# Altium PCB PowerAMP.PcbDoc (part 3 of 4) (continued)
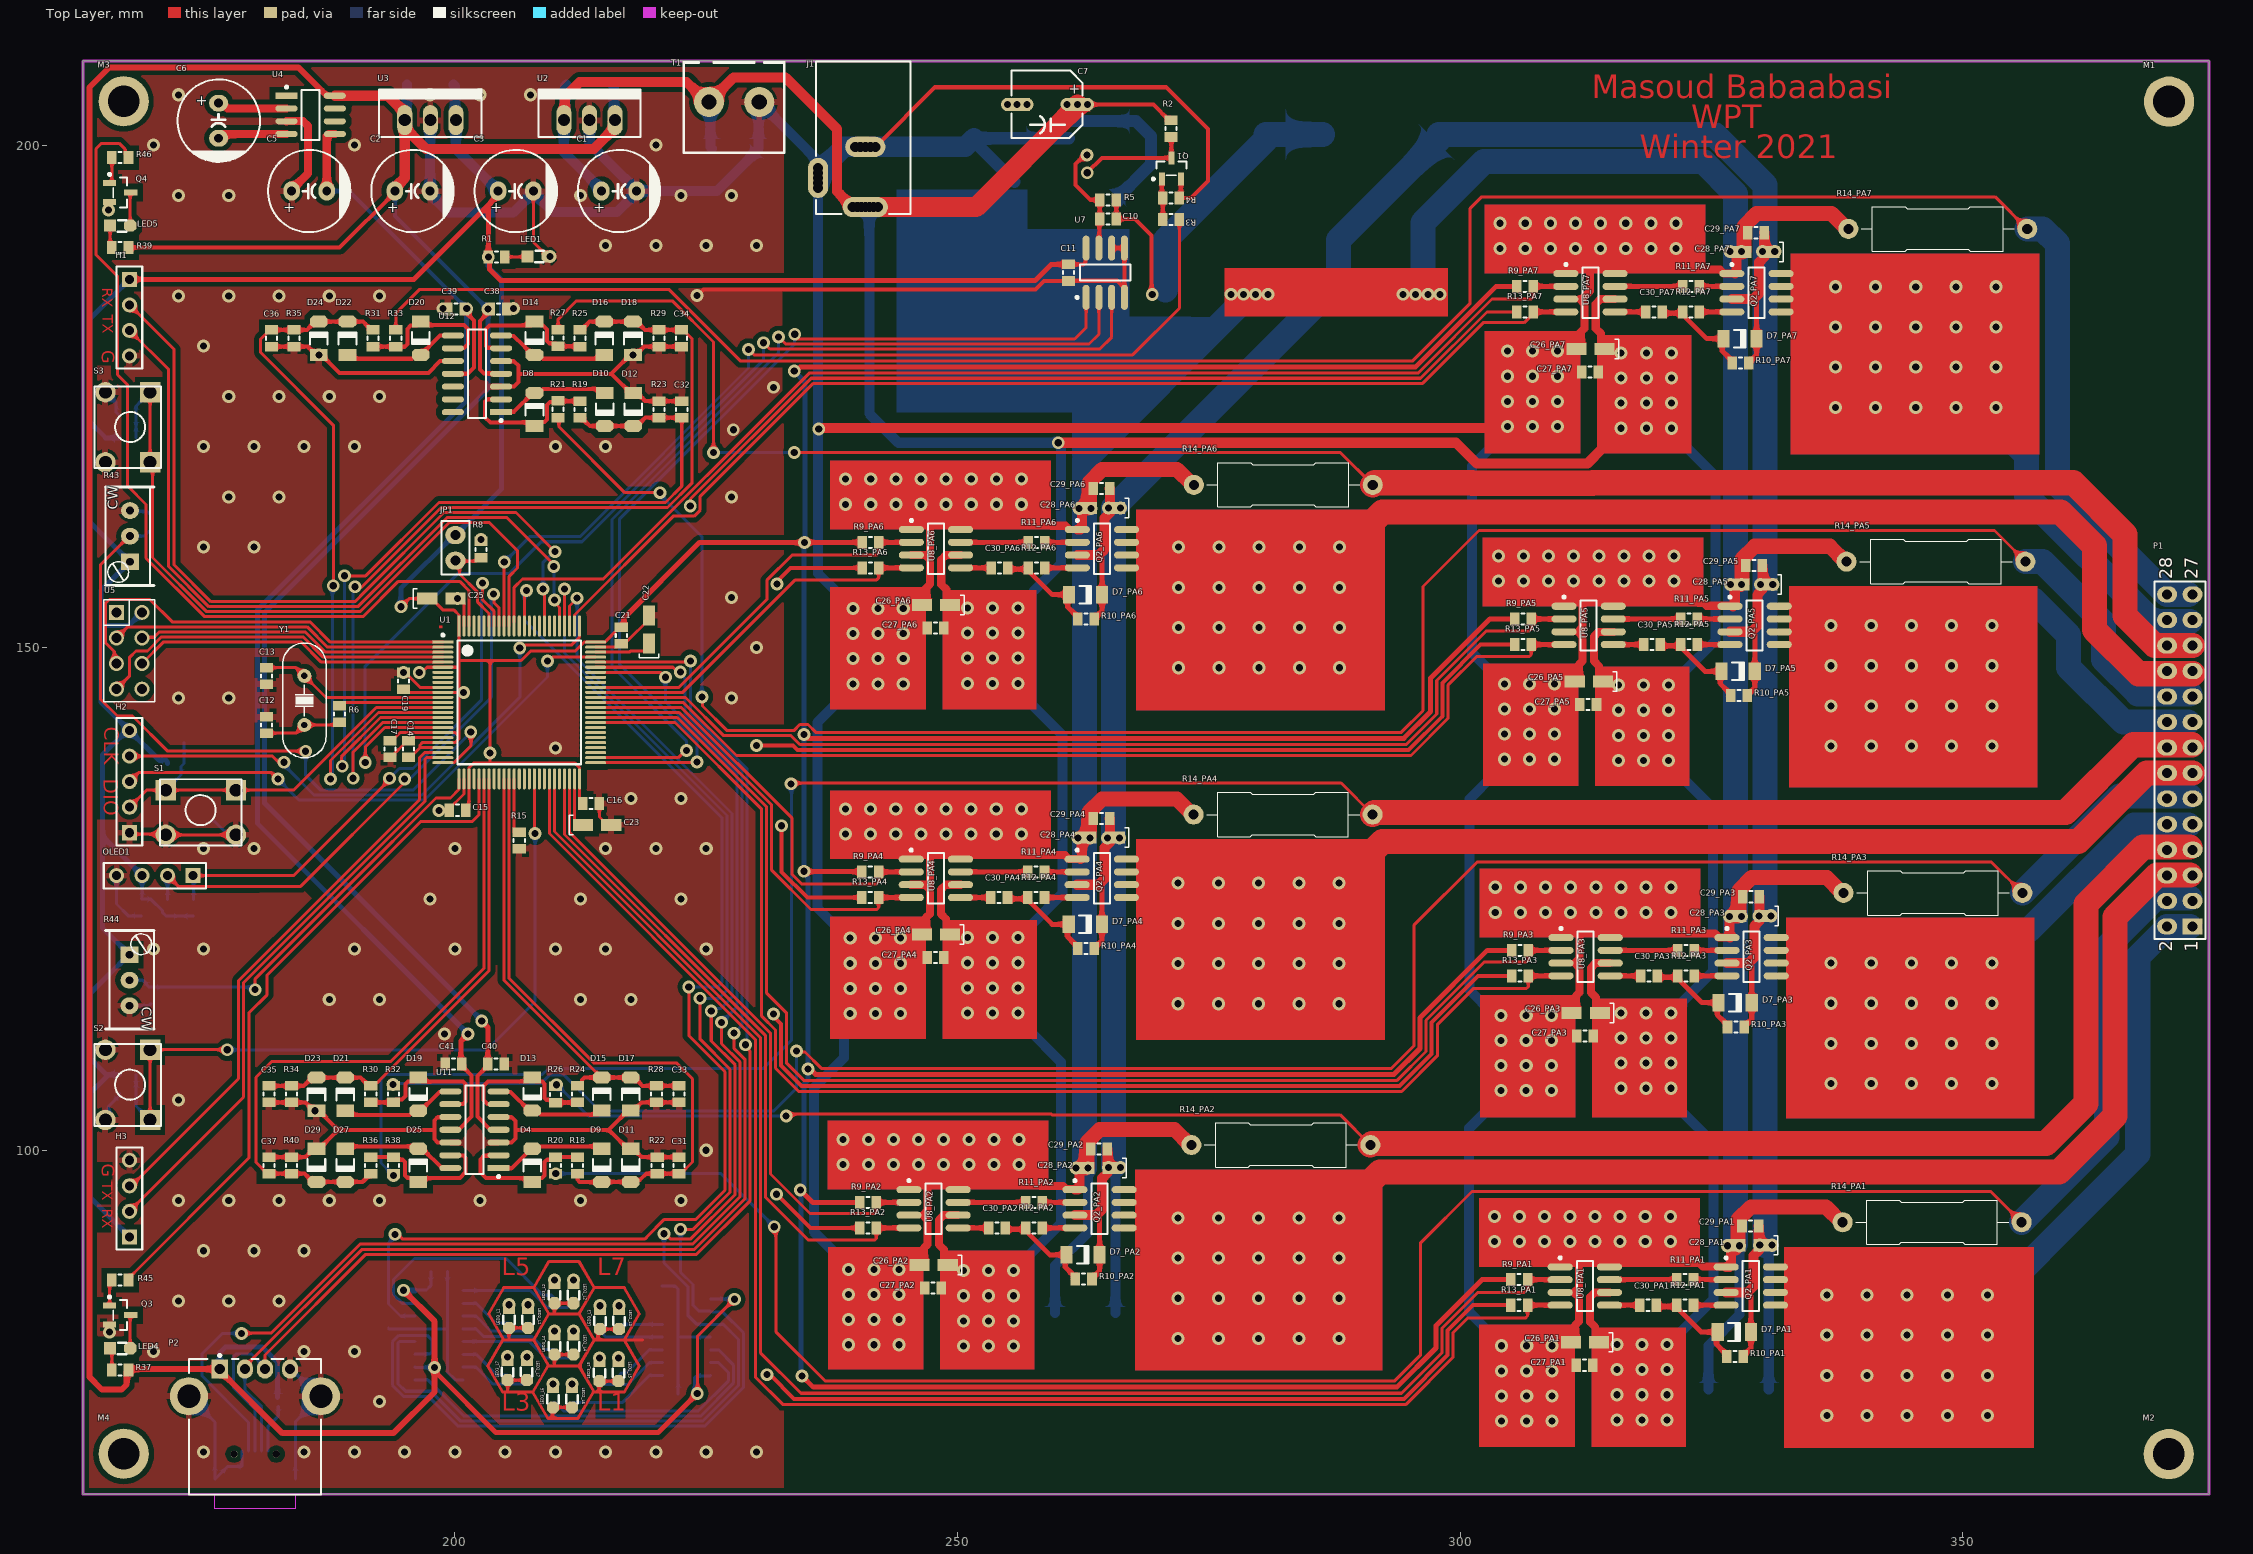
[diagram p0: Top Layer view]
## Nets (pads, with @x,y where several pads share a name; then routed paths per layer and width w, separated by ;. In a path a pad name is that pad's centre, name@x,y a point inside that pad or via, vN(x,y) a via of type N, cw(c..) or ccw(c..) an arc to the next point about the centre after c; other vN are vias at no path point) (continued)
  Bottom Layer w0.3: OLED1.1@173.955,127.325 174,127.28 R47.1@174,124.95 ; v2(193.5,137) 194.475,137.975 195.825,137.975 202.625,144.775 202.625,156.287 v2(202.753,156.415)
LED1: R45.1 U1.30 | length 67.3
  Top Layer w0.3: R45.1@167.525,87.075 167.525,87.25 179.5,99.225 179.5,113.65 181.325,115.475 181.325,117.425 196.6,132.7 201.725,132.7 202.4,133.375 U1.30@202.4,136.95
LED2: R46.1 U1.98 | length 87
  Top Layer w0.3: R46.1@167.525,198.75 167.2,199.075 167.2,199.575 166.6,200.175 164.85,200.175 164.3,199.625 164.3,189.075 166.425,186.95 166.425,177.15 167.45,176.125 167.45,166.075 169.275,164.25 169.275,158.9 175.1,153.075 190.85,153.075 194.371,156.596 200.471,156.596 201.4,155.668 U1.98@201.4,152.15
LED_data: U1.87 U9.14 | length 121.5
  Top Layer w0.3: v2(194.05,91.635) 194.312,91.635 194.797,91.15 218.874,91.15 219.075,91.351 219.075,91.368 220.832,93.125 223.979,93.125 226.875,96.021 226.875,107.8 223.268,111.407 v2(223.268,116.243) ; U1.87@206.9,152.15 206.9,155.506 206.94,155.506 v2(207.116,155.682)
  Bottom Layer w0.3: v2(194.05,91.635) 194.05,91.401 193.4,90.751 193.4,84.7 194.595,83.505 U9.14@196.025,83.505 ; v2(207.116,155.682) 206.94,155.506 206.9,155.506 206.9,152.761 226.575,133.086 226.575,116.675 226.143,116.243 v2(223.268,116.243)
NetC6_1: C6.1 U4.2 | length 7
  Top Layer w0.8: C6.1@176.5,204.175 176.857,204.175 177.397,203.635 U4.2@183.25,203.635
NetC6_2: C6.2 U4.4 | length 6.9
  Top Layer w0.8: C6.2@176.5,200.675 176.857,200.675 177.277,201.095 U4.4@183.25,201.095
NetC8_1: C8.1 C10.1 L1.2 L2.1 R5.2 | length 37.2
  Top Layer w0.4: R5.2@265.8,194.55 C10.1@265.8,192.65 267.65,192.65 269.3,191 269.3,185.2 v2(269.375,185.125)
  Bottom Layer w2.5: C8.1@270.675,185.6 270.675,190.55 280.675,200.55 L1.2@280.675,201.05 L2.1@286.3,201.05
NetC12_2: C12.2 R6.2 Y1.2 | length 7.7
  Top Layer w0.3: C12.2@181.275,141.485 184.2,141.485 Y1.2@185.025,142.31 188.235,142.31 R6.2@188.525,142.6
NetC13_2: C13.2 U1.12 Y1.1 | length 18.8
  Top Layer w0.3: C13.2@181.275,148.015 184.2,148.015 187.165,145.05 U1.12@198.8,145.05
NetC22_+: C22.1 U1.73 | length 5.9
  Top Layer w0.3: U1.73@214,149.55 217.345,149.55 217.445,149.65 218.851,149.65 219.3,150.099 C22.1@219.3,150.45
NetC23_+: C23.1 U1.49 | length 5.3
  Top Layer w0.3: U1.49@211.9,136.95 211.9,133 211.901,132.999 211.901,132.824 212.35,132.375 C23.1@212.9,132.375
NetC30_PA1_1: C30_PA1.1 U8_PA1.5 | length 3.1
  Top Layer w0.5: U8_PA1.5@314.855,84.582 317.756,84.582 C30_PA1.1@317.883,84.455
NetC30_PA1_2: C30_PA1.2 D7_PA1.1 R10_PA1.2 R12_PA1.2 | length 10.1
  Top Layer w0.5: C30_PA1.2@319.533,84.455 321.565,84.455 321.79,84.23 321.79,84.103 323.978,81.915 D7_PA1.1@325.63,81.915 ; D7_PA1.1@325.502,81.915 325.502,80.693 326.518,79.677 R10_PA1.2@326.518,79.502
NetC30_PA2_1: C30_PA2.1 U8_PA2.5 | length 3.1
  Top Layer w0.5: U8_PA2.5@250.065,92.267 252.966,92.267 C30_PA2.1@253.093,92.14
NetC30_PA2_2: C30_PA2.2 D7_PA2.1 R10_PA2.2 R12_PA2.2 | length 10.1
  Top Layer w0.5: C30_PA2.2@254.743,92.14 256.775,92.14 257,91.915 257,91.788 259.188,89.6 D7_PA2.1@260.84,89.6 ; D7_PA2.1@260.712,89.6 260.712,88.378 261.728,87.362 R10_PA2.2@261.728,87.187
NetC30_PA3_1: C30_PA3.1 U8_PA3.5 | length 3.1
  Top Layer w0.5: U8_PA3.5@314.936,117.345 317.837,117.345 C30_PA3.1@317.964,117.218
NetC30_PA3_2: C30_PA3.2 D7_PA3.1 R10_PA3.2 R12_PA3.2 | length 10.1
  Top Layer w0.5: C30_PA3.2@319.614,117.218 321.646,117.218 321.871,116.993 321.871,116.866 324.059,114.678 D7_PA3.1@325.711,114.678 ; D7_PA3.1@325.583,114.678 325.583,113.456 326.599,112.44 R10_PA3.2@326.599,112.265
NetC30_PA4_1: C30_PA4.1 U8_PA4.5 | length 3.1
  Top Layer w0.5: U8_PA4.5@250.293,125.144 253.194,125.144 C30_PA4.1@253.321,125.017
NetC30_PA4_2: C30_PA4.2 D7_PA4.1 R10_PA4.2 R12_PA4.2 | length 10.1
  Top Layer w0.5: C30_PA4.2@254.971,125.017 257.003,125.017 257.228,124.792 257.228,124.665 259.416,122.477 D7_PA4.1@261.068,122.477 ; D7_PA4.1@260.94,122.477 260.94,121.255 261.956,120.239 R10_PA4.2@261.956,120.064
NetC30_PA5_1: C30_PA5.1 U8_PA5.5 | length 3.1
  Top Layer w0.5: U8_PA5.5@315.237,150.309 318.138,150.309 C30_PA5.1@318.265,150.182
NetC30_PA5_2: C30_PA5.2 D7_PA5.1 R10_PA5.2 R12_PA5.2 | length 10.1
  Top Layer w0.5: C30_PA5.2@319.915,150.182 321.947,150.182 322.172,149.957 322.172,149.83 324.36,147.642 D7_PA5.1@326.012,147.642 ; D7_PA5.1@325.884,147.642 325.884,146.42 326.9,145.404 R10_PA5.2@326.9,145.229
NetC30_PA6_1: C30_PA6.1 U8_PA6.5 | length 3.1
  Top Layer w0.5: U8_PA6.5@250.307,157.941 253.208,157.941 C30_PA6.1@253.335,157.814
NetC30_PA6_2: C30_PA6.2 D7_PA6.1 R10_PA6.2 R12_PA6.2 | length 10.1
  Top Layer w0.5: C30_PA6.2@254.985,157.814 257.017,157.814 257.242,157.589 257.242,157.462 259.43,155.274 D7_PA6.1@261.082,155.274 ; D7_PA6.1@260.954,155.274 260.954,154.052 261.97,153.036 R10_PA6.2@261.97,152.861
NetC30_PA7_1: C30_PA7.1 U8_PA7.5 | length 3.1
  Top Layer w0.5: U8_PA7.5@315.418,183.4 318.319,183.4 C30_PA7.1@318.446,183.273
NetC30_PA7_2: C30_PA7.2 D7_PA7.1 R10_PA7.2 R12_PA7.2 | length 10.1
  Top Layer w0.5: C30_PA7.2@320.096,183.273 322.128,183.273 322.353,183.048 322.353,182.921 324.541,180.733 D7_PA7.1@326.193,180.733 ; D7_PA7.1@326.065,180.733 326.065,179.511 327.081,178.495 R10_PA7.2@327.081,178.32
NetD4_1: D4.1 R18.1 R20.2 U11.2 | length 15.2
  Top Layer w0.4: U11.2@204.35,99.498 204.312,99.459 202.897,99.459 202.525,99.088 202.525,97.788 203.075,97.238 207.285,97.238 D4.1@207.675,96.848 208.075,97.248 208.666,97.248 208.9,97.482 208.9,98.813 209.134,99.048 209.75,99.048 R20.2@210.025,99.323 R18.1@212.2,99.323
NetD4_2: D4.2 D9.1 U11.1 | length 11.3
  Top Layer w0.4: U11.1@204.35,98.228 205.663,98.228 206.529,99.094 207.017,99.582 207.583,100.148 208.133,100.148 208.373,100.388 214.385,100.388 D9.1@214.625,100.148
NetD6_2: D6.2 L1.1 U6.2 | length 16.7
  Bottom Layer w1.2: U6.2@261.075,202.375 267.75,202.375 L1.1@269.075,201.05 269.25,200.875 269.25,198.075 265.925,194.75 D6.2@265.925,194.35
NetD8_1: D8.1 R19.1 R21.2 U12.2 | length 14.9
  Top Layer w0.4: U12.2@204.591,174.7 203.25,174.7 203.016,174.466 203.016,172.915 203.516,172.415 207.551,172.415 D8.1@207.916,172.05 208.316,172.45 208.906,172.45 209.141,172.684 209.141,174.14 209.441,174.44 210.166,174.44 R21.2@210.266,174.54 210.273,174.532 212.433,174.532 R19.1@212.441,174.525
NetD8_2: D8.2 D10.1 U12.1 | length 11.4
  Top Layer w0.4: U12.1@204.591,173.43 204.629,173.468 205.89,173.468 207.772,175.35 208.374,175.35 208.764,175.74 214.501,175.74 D10.1@214.891,175.35
NetD13_1: D13.1 R24.1 R26.2 U11.6 | length 14.6
  Top Layer w0.4: U11.6@204.35,104.578 204.312,104.616 203.231,104.616 202.85,104.997 202.85,106.388 203.3,106.838 207.275,106.838 D13.1@207.675,107.238 208.075,106.838 208.691,106.838 208.925,106.603 208.925,105.213 209.125,105.013 209.75,105.013 R26.2@210.025,104.738 210.038,104.75 212.187,104.75 R24.1@212.2,104.763
NetD13_2: D13.2 D15.1 U11.7 | length 11.4
  Top Layer w0.4: U11.7@204.35,105.848 204.388,105.809 205.528,105.809 207.4,103.938 208.133,103.938 208.533,103.538 214.225,103.538 D15.1@214.625,103.938
NetD14_1: D14.1 R25.1 R27.2 U12.6 | length 14.6
  Top Layer w0.4: U12.6@204.591,179.78 204.552,179.818 203.294,179.818 203.091,180.022 203.091,181.715 203.441,182.065 207.551,182.065 D14.1@207.916,182.43 208.191,182.43 208.591,182.03 208.785,182.03 209.166,181.649 209.166,180.499 209.4,180.265 209.991,180.265 R27.2@210.266,179.99 210.283,179.973 212.423,179.973 R25.1@212.441,179.955
NetD14_2: D14.2 D16.1 U12.7 | length 11.4
  Top Layer w0.4: U12.7@204.591,181.05 204.629,181.012 205.84,181.012 206.807,180.045 207.722,179.13 208.374,179.13 208.764,178.74 214.476,178.74 D16.1@214.866,179.13
NetD19_1: D19.1 R30.1 R32.2 U11.9 | length 14.8
  Top Layer w0.4: R30.1@191.625,104.753 R32.2@193.875,104.753 194.15,105.028 194.715,105.028 195.1,105.413 195.1,106.593 195.334,106.828 195.95,106.828 D19.1@196.35,107.228 196.75,106.828 200.816,106.828 201.05,106.593 201.05,104.85 200.816,104.616 199.588,104.616 U11.9@199.55,104.578
NetD19_2: D19.2 D21.1 U11.8 | length 11.6
  Top Layer w0.4: D21.1@189.075,103.928 189.475,103.528 195.492,103.528 195.892,103.928 196.565,103.928 198.447,105.809 199.512,105.809 U11.8@199.55,105.848
NetD20_1: D20.1 R31.1 R33.2 U12.9 | length 14.8
  Top Layer w0.4: R31.1@191.866,179.955 R33.2@194.116,179.955 194.156,179.915 194.991,179.915 195.266,180.19 195.266,181.715 195.581,182.03 196.191,182.03 D20.1@196.591,182.43 196.931,182.09 200.891,182.09 201.291,181.69 201.291,180.203 200.906,179.818 199.829,179.818 U12.9@199.791,179.78
NetD20_2: D20.2 D22.1 U12.8 | length 11.6
  Top Layer w0.4: D22.1@189.316,179.13 189.706,178.74 195.743,178.74 196.133,179.13 D20.2@196.591,179.13 196.683,179.13 197.083,179.53 197.083,179.622 198.511,181.05 U12.8@199.791,181.05
NetD25_1: D25.1 R36.1 R38.2 U11.13 | length 14.7
  Top Layer w0.4: R36.1@191.625,99.323 R38.2@193.875,99.323 194.133,99.065 194.791,99.065 195.025,98.83 195.025,97.482 195.259,97.248 195.95,97.248 D25.1@196.35,96.848 196.74,97.238 200.5,97.238 201.075,97.813 201.075,99.225 200.841,99.459 199.588,99.459 U11.13@199.55,99.498
NetD25_2: D25.2 D27.1 U11.14 | length 11.5
  Top Layer w0.4: D27.1@189.075,100.148 189.315,100.388 195.652,100.388 195.892,100.148 D25.2@196.35,100.148 196.776,100.148 198.696,98.228 U11.14@199.55,98.228
NetLED1_1: LED1.1 R1.1 | length 2.3
  Top Layer w0.3: R1.1@204.975,188.875 207.175,188.875 LED1.1@207.225,188.925
NetLED2_L1_1: LED2_L1.1 R16_L1.1
  other v1: 207.275,84.629
NetLED2_L2_1: LED2_L2.1 R16_L2.1
  other v1: 211.8,87.104
NetLED2_L3_1: LED2_L3.1 R16_L3.1
  other v1: 216.325,84.529
NetLED2_L4_1: LED2_L4.1 R16_L4.1
  other v1: 211.8,82.004
NetLED2_L5_1: LED2_L5.1 R16_L5.1
  other v1: 216.275,79.354
NetLED2_L6_1: LED2_L6.1 R16_L6.1
  other v1: 211.65,76.729
NetLED2_L7_1: LED2_L7.1 R16_L7.1
  other v1: 207.15,79.454
NetLED3_L1_1: LED3_L1.1 R17_L1.1
  other v1: 205.375,84.629
NetLED3_L2_1: LED3_L2.1 R17_L2.1
  other v1: 209.9,87.104
NetLED3_L3_1: LED3_L3.1 R17_L3.1
  other v1: 214.425,84.529
NetLED3_L4_1: LED3_L4.1 R17_L4.1
  other v1: 209.9,82.004
NetLED3_L5_1: LED3_L5.1 R17_L5.1
  other v1: 214.375,79.329
NetLED3_L6_1: LED3_L6.1 R17_L6.1
  other v1: 209.75,76.754
NetLED3_L7_1: LED3_L7.1 R17_L7.1
  other v1: 205.25,79.454
NetLED4_1: LED4.1 R37.1 | length 2.2
  Top Layer w0.3: LED4.1@165.7,80.3 165.875,80.125 R37.1@165.875,78.125
NetLED4_2: LED4.2 Q3.3 | length 3.3
  Top Layer w0.3: LED4.2@167.7,80.3 167.7,83.55 Q3.3@167.75,83.6
NetLED5_1: LED5.1 R39.1 | length 2.2
  Top Layer w0.3: LED5.1@165.7,191.975 165.7,189.975 R39.1@165.875,189.8
NetLED5_2: LED5.2 Q4.3 | length 3.3
  Top Layer w0.3: LED5.2@167.7,191.975 167.7,195.225 Q4.3@167.75,195.275
Netp3_1: p3.1 W1.1 | length 4.9
  Bottom Layer w0.3: p3.1@181.425,70.075 181.425,72.55 182.425,73.55 W1.1@182.425,74.525
NetQ1_1: Q1.1 R3.2 R4.2 | length 4.1
  Top Layer w0.4: Q1.1@270.325,196.625 270.325,194.85 R4.2@270.425,194.75 R3.2@270.425,192.575
NetQ1_3: Q1.3 R2.1 U6.5 | length 11
  Top Layer w0.4: v2@262.96,197.19 v2(262.9,197.25) 264.375,198.725 Q1.3@271.275,198.725 271.275,200.65 R2.1@271.25,200.675
NetQ2_PA1_2: Q2_PA1.2 R11_PA1.1 | length 3.3
  Top Layer w0.5: R11_PA1.1@323.215,87.122 Q2_PA1.2@326.465,87.122
NetQ2_PA1_4: Q2_PA1.4 R12_PA1.1 | length 3.3
  Top Layer w0.5: R12_PA1.1@323.215,84.582 Q2_PA1.4@326.465,84.582
NetQ2_PA2_2: Q2_PA2.2 R11_PA2.1 | length 3.3
  Top Layer w0.5: R11_PA2.1@258.425,94.807 Q2_PA2.2@261.675,94.807
NetQ2_PA2_4: Q2_PA2.4 R12_PA2.1 | length 3.3
  Top Layer w0.5: R12_PA2.1@258.425,92.267 Q2_PA2.4@261.675,92.267
NetQ2_PA3_2: Q2_PA3.2 R11_PA3.1 | length 3.3
  Top Layer w0.5: R11_PA3.1@323.296,119.885 Q2_PA3.2@326.546,119.885
NetQ2_PA3_4: Q2_PA3.4 R12_PA3.1 | length 3.3
  Top Layer w0.5: R12_PA3.1@323.296,117.345 Q2_PA3.4@326.546,117.345
NetQ2_PA4_2: Q2_PA4.2 R11_PA4.1 | length 3.3
  Top Layer w0.5: R11_PA4.1@258.653,127.684 Q2_PA4.2@261.903,127.684
NetQ2_PA4_4: Q2_PA4.4 R12_PA4.1 | length 3.3
  Top Layer w0.5: R12_PA4.1@258.653,125.144 Q2_PA4.4@261.903,125.144
NetQ2_PA5_2: Q2_PA5.2 R11_PA5.1 | length 3.3
  Top Layer w0.5: R11_PA5.1@323.597,152.849 Q2_PA5.2@326.847,152.849
NetQ2_PA5_4: Q2_PA5.4 R12_PA5.1 | length 3.3
  Top Layer w0.5: R12_PA5.1@323.597,150.309 Q2_PA5.4@326.847,150.309
NetQ2_PA6_2: Q2_PA6.2 R11_PA6.1 | length 3.3
  Top Layer w0.5: R11_PA6.1@258.667,160.481 Q2_PA6.2@261.917,160.481
NetQ2_PA6_4: Q2_PA6.4 R12_PA6.1 | length 3.3
  Top Layer w0.5: R12_PA6.1@258.667,157.941 Q2_PA6.4@261.917,157.941
NetQ2_PA7_2: Q2_PA7.2 R11_PA7.1 | length 3.3
  Top Layer w0.5: R11_PA7.1@323.778,185.94 Q2_PA7.2@327.028,185.94
NetQ2_PA7_4: Q2_PA7.4 R12_PA7.1 | length 3.3
  Top Layer w0.5: R12_PA7.1@323.778,183.4 Q2_PA7.4@327.028,183.4
NetQ3_1: Q3.1 R45.2 | length 2.6
  Top Layer w0.3: Q3.1@165.65,84.55 165.65,86.85 R45.2@165.875,87.075
NetQ4_1: Q4.1 R46.2 | length 2.7
  Top Layer w0.3: Q4.1@165.65,196.225 165.725,196.225 165.875,196.375 R46.2@165.875,198.75
NetR6_1: R6.1 U1.13 | length 10.4
  Top Layer w0.3: R6.1@188.525,144.25 188.825,144.55 U1.13@198.8,144.55
NetR11_PA1_2: R11_PA1.2 U8_PA1.7 | length 6.7
  Top Layer w0.5: U8_PA1.7@314.855,87.122 R11_PA1.2@321.565,87.122
NetR11_PA2_2: R11_PA2.2 U8_PA2.7 | length 6.7
  Top Layer w0.5: U8_PA2.7@250.065,94.807 R11_PA2.2@256.775,94.807
NetR11_PA3_2: R11_PA3.2 U8_PA3.7 | length 6.7
  Top Layer w0.5: U8_PA3.7@314.936,119.885 R11_PA3.2@321.646,119.885
NetR11_PA4_2: R11_PA4.2 U8_PA4.7 | length 6.7
  Top Layer w0.5: U8_PA4.7@250.293,127.684 R11_PA4.2@257.003,127.684
NetR11_PA5_2: R11_PA5.2 U8_PA5.7 | length 6.7
  Top Layer w0.5: U8_PA5.7@315.237,152.849 R11_PA5.2@321.947,152.849
NetR11_PA6_2: R11_PA6.2 U8_PA6.7 | length 6.7
  Top Layer w0.5: U8_PA6.7@250.307,160.481 R11_PA6.2@257.017,160.481
NetR11_PA7_2: R11_PA7.2 U8_PA7.7 | length 6.7
  Top Layer w0.5: U8_PA7.7@315.418,185.94 R11_PA7.2@322.128,185.94
NetU5_8: U5.8
NetU9_9: U9.9 U10.14 | length 39.2
  Bottom Layer w0.3: U9.9@196.025,77.155 197.295,77.155 200.9,73.55 224.425,73.55 227.7,76.825 227.7,78.654 226.214,80.14 U10.14@225.425,80.14
NRF_CE: U1.2 U5.3 | length 33.8
  Top Layer w0.3: U5.3@166.326,150.96 167.441,152.075 185.3,152.075 187.325,150.05 U1.2@198.8,150.05
NRF_CSN: U1.3 U5.4 | length 31
  Top Layer w0.3: U5.4@168.866,150.96 168.94,151.035 170.066,151.035 170.607,151.575 185.093,151.575 187.118,149.55 U1.3@198.8,149.55
NRF_MISO: U1.4 U5.7 | length 36.5
  Top Layer w0.3: U5.7@166.326,145.88 167.65,147.204 167.65,149.05 168.275,149.675 169.414,149.675 170.814,151.075 184.886,151.075 186.911,149.05 U1.4@198.8,149.05
NRF_MOSI: U1.5 U5.6 | length 31.7
  Top Layer w0.3: U5.6@168.866,148.42 171.021,150.575 184.679,150.575 186.704,148.55 U1.5@198.8,148.55
NRF_SCK: U1.1 U5.5 | length 41.9
  Top Layer w0.3: U5.5@166.326,148.42 166.11,148.636 166.11,149.62 165.226,150.505 165.226,154.395 165.631,154.8 169.65,154.8 171.875,152.575 185.575,152.575 187.6,150.55 U1.1@198.8,150.55
PB1: C43.2 R41.2 S2.1 U1.41 | length 74.6
  Top Layer w0.3: S2.1@169.673,103.007 S2.1@169.673,109.992 169.68,110 v2(177.35,110) ; U1.41@207.9,136.95 207.9,131.575 v2(207.975,131.5)
  Bottom Layer w0.3: R41.2@168.275,107.525 C43.2@168.275,105.625 168.275,104.405 S2.1@169.673,103.007 ; v2@177.35,109.992 203.192,109.992 207.975,114.775 v2(207.975,131.5)
PB2: C44.2 R42.2 S3.1 U1.90 | length 72.9
  Top Layer w0.3: S3.1@169.673,175.418 S3.1@169.673,168.433 169.925,168.18 169.925,158.957 175.307,153.575 190.55,153.575 199.409,162.434 203.431,162.434 206.225,159.64 206.225,157.925 205.4,157.1 U1.90@205.4,152.15
  Bottom Layer w0.3: R42.2@168.275,170.875 C44.2@168.275,173.075 168.275,174.02 S3.1@169.673,175.418
POT_CS: U1.51 U7.1 | length 95.9
  Top Layer w0.3: U1.51@214,138.55 224,138.55 v2(224.075,138.625) ; v2(233.8,181.184) 233.976,181.008 233.976,180.7 261.65,180.7 262.795,181.845 U7.1@262.795,184.85
  Bottom Layer w0.3: v2(224.075,138.625) 224.075,140.65 216.35,148.375 216.35,162.768 233.8,180.218 v2(233.8,181.184)
POT_SCK: U1.52 U7.2 | length 96.6
  Top Layer w0.3: U1.52@214,139.05 216.6,139.05 222.216,139.05 222.941,139.775 v2(223.025,139.775) ; v2(232.2,180.9) 232.901,180.199 263.074,180.199 264.065,181.19 U7.2@264.065,184.85
  Bottom Layer w0.3: v2(223.025,139.775) 223.025,140.725 215.625,148.125 215.625,162.75 232.2,179.325 v2(232.2,180.9)
POT_SI: U1.18 U7.3 | length 113
  Top Layer w0.3: v2(191.075,138.575) 191.086,138.586 191.086,140.114 193.021,142.05 U1.18@198.8,142.05 ; v2(230.686,180.334) 231.321,179.699 264.149,179.699 265.335,180.885 U7.3@265.335,184.85
  Bottom Layer w0.3: v2(191.075,138.575) 191.075,148.15 200.325,157.4 205.45,157.4 208.585,160.535 212.642,160.535 230.686,178.579 v2(230.686,180.334)
R_led1: R16_L1.2 U9.3 | length 7.7
  Bottom Layer w0.3: U9.3@200.825,83.505 202.095,83.505 203.596,82.004 207.024,82.004 207.2,82.18 207.2,82.754 R16_L1.2@207.275,82.829
R_led2: R16_L2.2 U9.1 | length 12.3
  Bottom Layer w0.3: U9.1@200.825,86.045 207.48,86.045 209.15,84.375 211.191,84.375 211.367,84.551 211.367,84.954 211.692,85.279 R16_L2.2@211.8,85.279
R_led3: R16_L3.2 U10.5 | length 4.3
  Bottom Layer w0.3: R16_L3.2@216.325,82.704 216.349,82.68 U10.5@220.625,82.68
R_led4: R16_L4.2 U9.5 | length 12.2
  Bottom Layer w0.3: U9.5@200.825,80.965 200.835,80.975 207.4,80.975 209.021,79.354 211.549,79.354 211.725,79.53 R16_L4.2@211.725,80.104
R_led5: R16_L5.2 U10.3 | length 5.4
  Bottom Layer w0.3: R16_L5.2@216.275,77.529 216.6,77.854 217.069,77.854 219.355,80.14 U10.3@220.625,80.14
R_led6: R16_L6.2 U10.1 | length 10.1
  Bottom Layer w0.3: R16_L6.2@211.65,74.929 216.684,74.929 219.36,77.605 220.62,77.605 U10.1@220.625,77.6
R_led7: R16_L7.2 U9.7 | length 7.8
  Bottom Layer w0.3: U9.7@200.825,78.425 202.095,78.425 203.77,76.75 206.974,76.75 207.15,76.926 R16_L7.2@207.15,77.629
reg_clk: U1.79 U9.11 U10.11 | length 149.9
  Top Layer w0.3: U1.79@210.9,152.15 v2(210.9,155.84) ; v2(222.45,92.135) 223.696,92.135 227.375,95.814 227.375,108.05 224.393,111.032 v2(224.393,115.118)
  Bottom Layer w0.3: U9.11@196.025,79.695 196.073,79.743 197.524,79.743 197.7,79.919 197.7,81.125 197.235,81.59 194.419,81.59 193.775,80.946 193.775,76.627 194.877,75.525 197.35,75.525 200.325,72.55 224.839,72.55 228.7,76.411 228.7,81.839 226.646,83.893 225.482,83.893 U10.11@225.425,83.95 225.377,83.998 224.252,83.998 223.675,84.575 223.675,86.65 222.45,87.875 v2(222.45,92.135) ; v2(210.9,155.84) 210.9,149.468 227.075,133.293 227.075,115.925 226.268,115.118 v2(224.393,115.118)
reg_ON_OFF: R3.1 U1.91 | length 94.3
  Top Layer w0.3: U1.91@204.9,152.15 204.9,153.05 204.9,158.498 v2(204.91,158.508) ; v2(229.211,179.659) 229.745,179.125 267.425,179.125 272.075,183.775 R3.1@272.075,192.575
  Bottom Layer w0.3: v2(204.91,158.508) 207.437,161.035 212.435,161.035 229.211,177.811 v2(229.211,179.659)
RESET: C18.2 H2.2 R7.2 S1.1 U1.14 | length 41
  Top Layer w0.3: H2.2@167.459,133.959 169.323,135.823 S1.1@171.233,135.823 S1.1@178.218,135.823 183.948,135.823 192.175,144.05 U1.14@198.8,144.05
  Bottom Layer w0.3: S1.1@171.233,135.823 172.75,137.34 172.75,138.175 173.05,138.475 C18.2@173.05,140.55
RX1: H1.2 U1.83 | length 80.4
  Top Layer w0.3: H1.2@167.625,184.1 172.075,179.65 172.075,158.221 175.721,154.575 190.05,154.575 191.035,155.56 198.909,163.434 206.066,163.434 v2(209.95,159.55) ; v2(208.775,155.84) 208.9,155.715 U1.83@208.9,152.15
  Bottom Layer w0.3: v2(208.775,155.84) 208.775,158.495 209.605,159.325 209.774,159.325 209.95,159.501 v2(209.95,159.55)
RX2: H3.2 U1.24 | length 59
  Top Layer w0.3: H3.2@167.625,93.925 178.975,105.275 178.975,116.668 197,134.693 197,138.874 197.176,139.05 U1.24@198.8,139.05
serial_clock: U1.78 U9.12 U10.12 | length 142.3
  Top Layer w0.3: U1.78@211.4,152.15 211.4,154.141 212.15,154.891 v2(212.15,154.925) ; v2(220.8,91.7) 220.911,91.7 221.461,91.15 223.418,91.15 227.875,95.607 227.875,108.5 225.5,110.875 v2(225.5,113.85)
  Bottom Layer w0.3: U9.12@196.025,80.965 194.501,80.965 194.325,80.789 194.325,76.8 195.1,76.025 197.6,76.025 200.575,73.05 224.632,73.05 228.2,76.618 228.2,81.175 226.695,82.68 U10.12@225.425,82.68 224.07,82.68 223.175,83.575 223.175,86.443 220.8,88.818 v2(220.8,91.7) ; v2(212.15,154.925) 212.15,148.925 227.575,133.5 227.575,115.225 226.45,114.1 v2@225.676,114.1
SWCLK: H2.4 U1.76 | length 57
  Top Layer w0.3: H2.4@167.625,139.2 181.863,139.2 182.463,138.6 v2(182.985,138.6) ; v2(206.45,149.975) 206.712,149.975 207.012,150.275 211.632,150.275 212.4,151.043 U1.76@212.4,152.15
  Bottom Layer w0.3: v2(182.985,138.6) 182.985,138.34 185.975,135.35 196.725,135.35 206.45,145.075 v2(206.45,149.975)
SWDIO: H2.3 U1.72 | length 55
  Top Layer w0.3: H2.3@167.398,136.438 168.52,137.56 181.765,137.56 v2(182.4,136.925) ; v2(209.2,148.665) 209.335,148.8 209.462,148.8 209.712,149.05 U1.72@214,149.05
  Bottom Layer w0.3: v2(182.4,136.925) 184.475,134.85 196.975,134.85 209.2,147.075 v2(209.2,148.665)
TX1: H1.3 U1.80 | length 77
  Top Layer w0.3: H1.3@167.625,181.56 171.525,177.66 171.525,158.064 175.514,154.075 190.343,154.075 199.202,162.934 205.173,162.934 209.831,158.276 v2(209.831,158.085) ; v2(209.915,154.749) 209.915,154.486 210.4,154.001 U1.80@210.4,152.15
  Bottom Layer w0.3: v2(209.831,158.085) 209.873,158.043 209.873,154.791 v2(209.915,154.749)
TX2: H3.3 U1.23 | length 57.2
  Top Layer w0.3: H3.3@167.625,96.465 167.815,96.465 178.475,107.125 178.475,116.875 196.475,134.875 196.475,139.056 196.969,139.55 U1.23@198.8,139.55
UART7_RX: U1.38
UART7_TX: U1.39
USB_DM: P2.2 p3.2 U1.70 | length 130.1
  Top Layer w0.3: P2.2@179.105,78.235 179.105,78.487 190.768,90.15 223.832,90.15 228.875,95.193 228.875,109.007 227.775,110.107 v2(227.775,111.65) ; U1.70@214,148.05 221.688,148.05 222.163,147.575 v2(222.425,147.575)
  Bottom Layer w0.3: P2.2@179.105,78.235 179.105,76.145 180.775,74.475 p3.2@180.775,70.075 ; v2(222.425,147.575) 222.425,147.389 222.9,146.914 222.9,143.393 228.575,137.718 228.575,112.45 v2(227.775,111.65)
USB_DP: P2.3 p3.3 U1.71 | length 136
  Top Layer w0.3: P2.3@181.105,78.235 181.105,79.635 191.12,89.65 224.039,89.65 229.375,94.986 229.375,109.839 228.9,110.314 v2(228.9,110.5) ; U1.71@214,148.55 222.007,148.55 222.017,148.56 223.31,148.56 v2(223.425,148.675)
  Bottom Layer w0.3: p3.3@180.125,70.075 180.125,74.225 177.955,76.395 177.955,79.455 178.225,79.725 179.765,79.725 181.105,78.385 P2.3@181.105,78.235 ; v2(223.425,148.675) 223.425,143.575 229.075,137.925 229.075,110.675 v2(228.9,110.5)
USB_ID: p3.4 U1.69 | length 134.8
  Top Layer w0.3: v2(178.775,81.775) 178.8,81.8 181.7,81.8 190.55,90.65 223.625,90.65 228.375,95.4 228.375,108.75 226.525,110.6 v2(226.525,112.725) ; U1.69@214,147.55 220.443,147.55 v2(220.936,147.057)
  Bottom Layer w0.3: v2(178.775,81.775) 176.85,81.775 174.85,79.775 174.85,77.536 179.475,72.911 p3.4@179.475,70.075 ; v2(220.936,147.057) 220.936,144.65 228.075,137.511 228.075,114.275 v2(226.525,112.725)
VPA: C9.1 C28_PA1.1 C28_PA2.1 C28_PA3.1 C28_PA4.1 C28_PA5.1 C28_PA6.1 C28_PA7.1 C29_PA1.1 C29_PA2.1 C29_PA3.1 C29_PA4.1 C29_PA5.1 C29_PA6.1 C29_PA7.1 C48.1 C49.1 D7_PA1.2 D7_PA2.2 D7_PA3.2 D7_PA4.2 D7_PA5.2 D7_PA6.2 D7_PA7.2 L2.2 Q2_PA1.3 Q2_PA2.3 Q2_PA3.3 Q2_PA4.3 Q2_PA5.3 Q2_PA6.3 Q2_PA7.3 R10_PA1.1 R10_PA2.1 R10_PA3.1 R10_PA4.1 R10_PA5.1 R10_PA6.1 R10_PA7.1 | length 397.4
  Top Layer w0.5: R10_PA2.1@263.378,87.187 263.378,87.362 263.603,87.587 263.752,87.587 264.14,87.975 D7_PA2.2@264.14,89.6 264.14,93.206 263.809,93.537 ; R10_PA4.1@263.606,120.064 263.606,120.239 263.831,120.464 263.98,120.464 264.368,120.852 D7_PA4.2@264.368,122.477 264.368,126.083 264.037,126.414 ; R10_PA6.1@263.62,152.861 263.62,153.036 263.845,153.261 263.994,153.261 264.382,153.649 D7_PA6.2@264.382,155.274 264.382,158.88 264.051,159.211 ; R10_PA1.1@328.168,79.502 328.168,79.677 328.393,79.902 328.542,79.902 328.93,80.29 D7_PA1.2@328.93,81.915 328.93,85.521 328.599,85.852 ; R10_PA3.1@328.249,112.265 328.249,112.44 328.474,112.665 328.623,112.665 329.011,113.053 D7_PA3.2@329.011,114.678 329.011,118.284 328.68,118.615 ; R10_PA5.1@328.55,145.229 328.55,145.404 328.775,145.629 328.924,145.629 329.312,146.017 D7_PA5.2@329.312,147.642 329.312,151.248 328.981,151.579 ; R10_PA7.1@328.731,178.32 328.731,178.495 328.956,178.72 329.105,178.72 329.493,179.108 D7_PA7.2@329.493,180.733 329.493,184.339 329.162,184.67
  Top Layer w1: Q2_PA2.3@261.675,93.537 263.809,93.537 264.395,94.123 264.395,97.214 C28_PA2.1@264.917,97.737 ; Q2_PA4.3@261.903,126.414 264.037,126.414 264.623,127 264.623,130.091 C28_PA4.1@265.145,130.614 ; Q2_PA6.3@261.917,159.211 264.051,159.211 264.637,159.797 264.637,162.888 C28_PA6.1@265.159,163.411 ; C29_PA2.1@264.902,100.141 264.927,100.116 C28_PA2.1@264.927,98.3 ; C29_PA4.1@265.13,133.018 265.155,132.993 C28_PA4.1@265.155,131.023 ; C29_PA6.1@265.144,165.815 265.169,165.79 C28_PA6.1@265.169,163.82 ; Q2_PA1.3@326.465,85.852 328.599,85.852 329.185,86.438 329.185,89.529 C28_PA1.1@329.707,90.052 ; Q2_PA3.3@326.546,118.615 328.68,118.615 329.266,119.201 329.266,122.292 329.788,122.815 329.788,123.215 329.798,123.224 329.798,125.194 C29_PA3.1@329.773,125.219 ; Q2_PA5.3@326.847,151.579 328.981,151.579 329.567,152.165 329.567,155.256 330.089,155.779 330.089,156.179 330.099,156.188 330.099,158.158 C29_PA5.1@330.074,158.183 ; Q2_PA7.3@327.028,184.67 329.162,184.67 329.748,185.256 329.748,188.347 330.27,188.87 330.27,189.27 330.28,189.279 330.28,191.249 C29_PA7.1@330.255,191.274 ; C29_PA1.1@329.692,92.456 329.717,92.431 329.717,90.461 v1(329.807,90.551) C28_PA1.1@330.207,90.551
  Bottom Layer w1: C49.1@265.702,83.8 265.702,97.72 266.2,98.219 v1(266.2,98.3) ; C48.1@330.702,76.225 330.702,90.165 331.007,90.47 v1(331.007,90.551)
  Bottom Layer w2.5: v1@265.5,98.4 265.5,131.05 265.5,163.953 276.169,174.622 276.172,174.622 286.675,185.125 C9.1@287.9,185.125 287.9,190.55 297.9,200.55 L2.2@297.9,201.05 325.309,201.05 330.327,196.032 330.327,189.4 330.327,156.3 330.327,123.317 v1@330.327,90.551
  other v1: 265,98.3 329.75,123.3 330.925,123.325 264.9,131.05 329.9,156.3 331.1,156.3 265,163.9 330.1,189.4 331.3,189.4
  other v3: 266.125,131.075 266.2,163.9
pads on no net: M1.S M2.S M3.S M4.S p3.H U1.7 U1.8 U1.9 U1.33 U1.34 U1.43 U1.46 U1.53 U1.54 U1.55 U1.56 U1.57 U1.58 U1.67 U1.68 U1.81 U1.82 U1.84 U1.85 U1.86 U1.88 U1.95 U1.96 U1.97 U4.1 U4.6 U4.7 U10.6 U10.7 U10.9 U12.12 U12.13 U12.14

## Polygon pours and split planes (outlines as drawn)
GND on Top Layer "GND_L01_P001" (solid, remove dead copper, pour order 1): 163.225,207.75 232.7,207.75 232.7,67.775 232.7,65.525 234.6,65.525 162.9,65.525
GND on Top Layer "GND_L01_P004" (solid, pour order 4): 221.15,188.15 221.718,187.582 221.718,163.075 232.6,163.075 232.625,163.1 232.575,163.15 232.575,188.275
GND on Top Layer "GND_L01_P003" (solid, pour order 3): 218.049,81.893 217.925,81.65 217.675,81.2 217.875,80.725 218.049,80.361 219.361,80.361 219.725,80.725 219.725,81.875
GND on Bottom Layer "GND_L02_P000" (solid, remove dead copper, pour order 0): 163.325,208.45 232.8,208.45 232.8,68.475 232.8,66.225 234.7,66.225 163,66.225

## Keep-outs
Keep-Out Layer:
  the board outline again, w0.254